# KiCad board SP110Duo.kicad_pcb (continued)
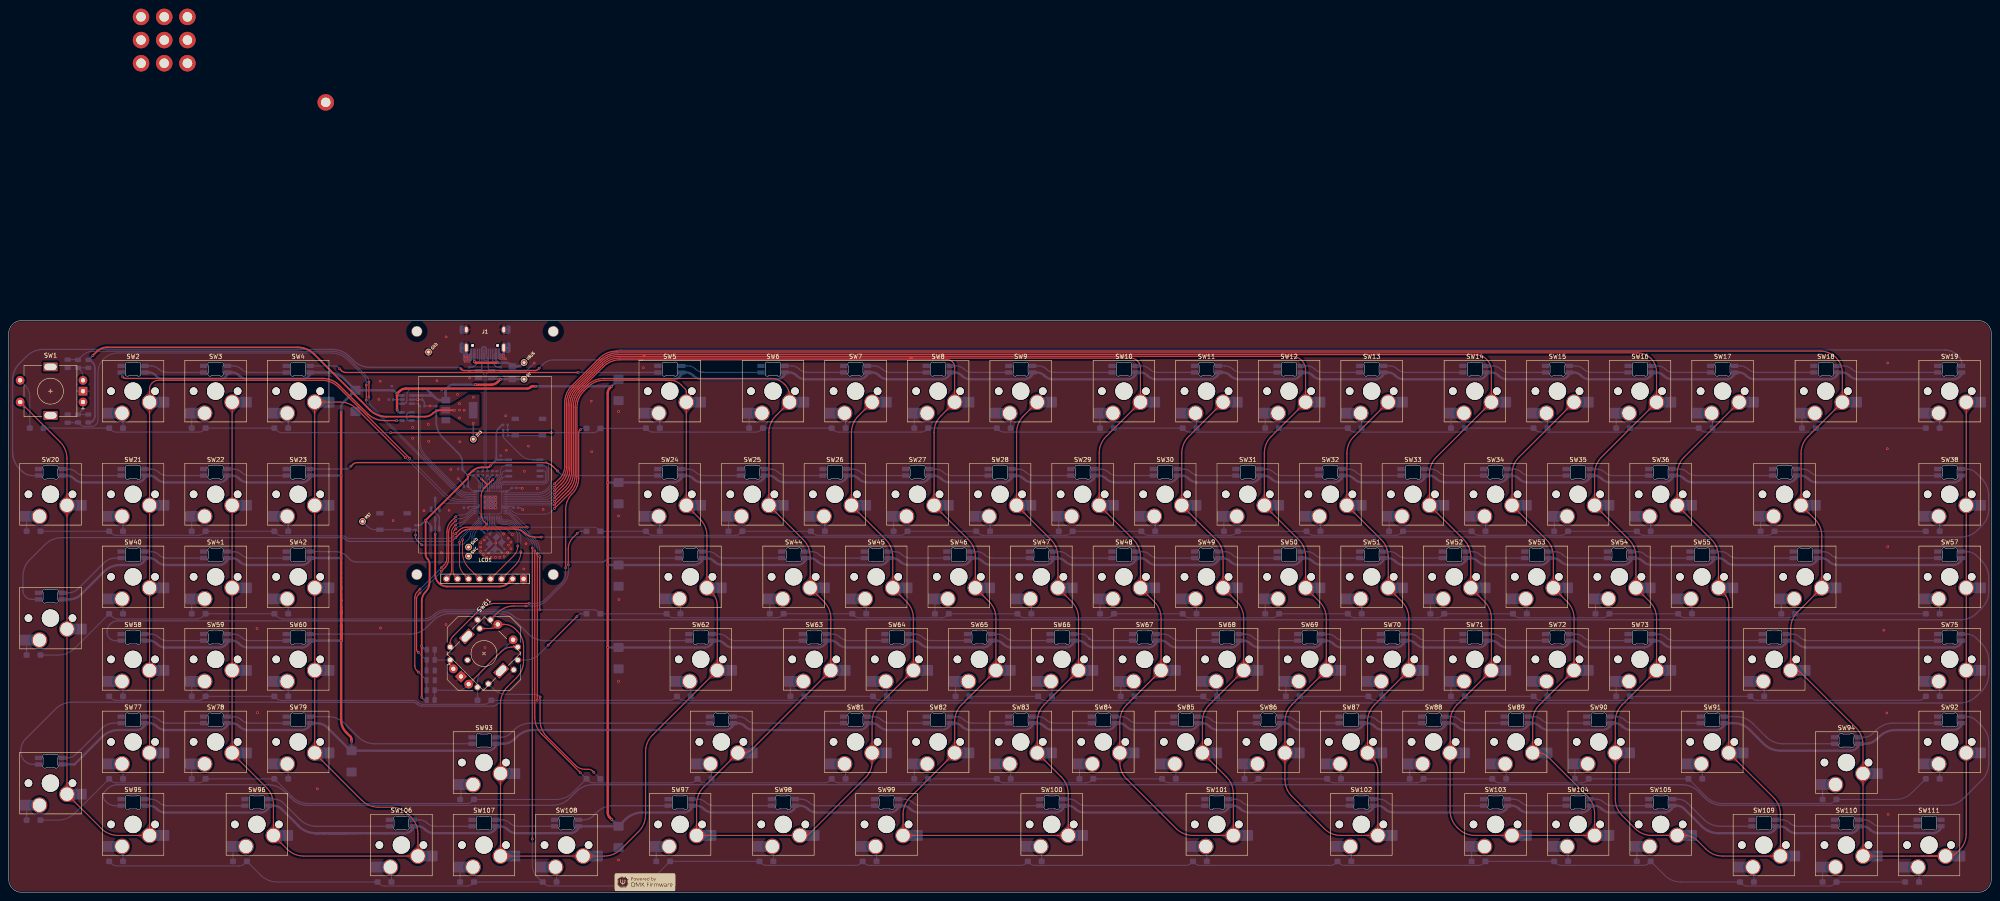
[diagram p0: board, top side]
## Routing (per net, layer and track width the routed paths; a pad name or vN(x,y) marks a point on that pad's centre or on a via; arc(x,y) is an arc through that point) (continued)
C_ILIM: length 2
  Bottom w0.25: R6.1 U2.5
CC1: length 4.5
  Bottom w0.3: R2.2 106.75,121.2 arc(107.16,121.28) 107.51,121.51 108.34,122.34 arc(108.57,122.68) 108.65,123.09 J1.A5
CC2: length 4.3
  Bottom w0.3: R1.2 113.05,121.2 arc(112.64,121.28) 112.29,121.51 112.13,121.67 arc(111.77,122.2) 111.65,122.82 J1.B5
COL0: length 307.9
  Top w0.25: SW1.S2 11.86,103.97 arc(13.04,102.21) 13.45,100.13 SW20.1 SW76.1 21.38,14.73 arc(23.15,13.55) 25.23,13.14 SW95.1 32.5,113.15 arc(32.5,113.15) 32.5,113.15 arc(32.5,113.15) 32.5,113.16 32.5,116.15 arc(32.65,116.93) 33.1,117.6 arc(33.76,118.04) 34.55,118.2 72.25,118.2 arc(74.33,117.79) 76.09,116.61 92.49,100.21 arc(92.5,100.19) 92.51,100.17 v1(92.51,100.16)
  Bottom w0.2: v1(92.51,100.16) 92.52,100.16 arc(92.54,100.15) 92.56,100.14 100.49,92.21 arc(102.26,91.03) 104.34,90.61 U4.37
COL1: length 303.2
  Top w0.25: v1(91.54,100.34) 80.31,111.58 arc(78.54,112.76) 76.46,113.17 70.64,113.17 arc(70.63,113.17) 70.61,113.16 arc(70.61,113.15) 70.6,113.13 70.6,32.15 arc(70.61,32.11) 70.63,32.08 81.47,21.25 arc(83.23,20.07) 85.31,19.65 88.28,19.65 arc(90.36,19.24) 92.12,18.06 92.82,17.36 arc(94,15.59) 94.42,13.51 SW106.1 68.09,8.37 arc(66.01,8.79) 64.25,9.97 SW96.1 61.08,20.33 arc(60.66,22.42) 59.48,24.18 51.58,32.09 arc(51.56,32.11) 51.55,32.15 SW3.1
  Bottom w0.2: v1(91.54,100.34) 100.08,91.81 arc(101.85,90.63) 103.93,90.21 U4.36
COL2: length 275.7
  Top w0.25: v1(125.9,88.6) 129.51,92.21 arc(130.69,93.97) 131.1,96.05 131.1,111.85 arc(131.51,113.93) 132.69,115.7 133.62,116.63 arc(135.39,117.81) 137.47,118.22 152.45,118.22 arc(153.93,117.93) 155.19,117.09 156.02,116.26 arc(156.24,115.92) 156.32,115.53 arc(156.32,115.52) 156.33,115.52 arc(156.33,115.52) 156.33,115.52 SW5.1 SW24.1 159.5,86.17 arc(160.68,84.4) 161.09,82.32 161.09,71.13 arc(161.25,70.35) 161.69,69.69 162.28,69.1 arc(163.16,67.78) 163.47,66.22 SW62.1 148.52,36.28 arc(147.34,34.52) 146.93,32.44 146.93,17.89 arc(146.51,15.81) 145.33,14.04 141.26,9.97 arc(139.49,8.79) 137.41,8.37 SW108.1 SW107.1 113.47,27.42 arc(113.46,27.42) 113.46,27.43 arc(113.46,27.43) 113.46,27.43 113.46,43.58 arc(113.87,45.66) 115.05,47.43 117.19,49.56 arc(118.37,51.33) 118.78,53.41 118.78,56.81 arc(118.4,58.74) 117.31,60.37 116.9,60.78 arc(115.72,61.57) 114.34,61.84 113.5,61.84 arc(112.89,61.72) 112.37,61.37 arc(111.85,61.03) 111.24,60.9 S61.7
  Bottom w0.2: U4.11 115.08,88.61 arc(115.57,88.51) 115.99,88.23 116.27,87.96 arc(117,87.47) 117.86,87.3 123.68,87.3 arc(124.53,87.47) 125.25,87.95 v1(125.9,88.6)
COL3: length 355.8
  Top w0.25: SW7.1 196.02,109.98 arc(194.84,108.21) 194.43,106.13 SW26.1 202.36,81.41 arc(203.54,79.64) 203.95,77.56 SW45.1 207.12,67.12 arc(208.3,65.35) 208.72,63.27 SW64.1 200.78,43.31 arc(199.6,41.54) 199.19,39.46 SW81.1 199.19,30.1 arc(198.81,28.16) 197.71,26.53 184.96,13.77 arc(184.25,13.3) 183.42,13.14 SW97.1 158.71,20.41 arc(159.12,22.49) 160.3,24.26 167.81,31.77 arc(168.28,32.08) 168.83,32.19 169.42,32.19 arc(170.52,32.41) 171.46,33.03 SW63.1 189.67,63.27 arc(189.25,65.35) 188.07,67.12 SW44.1 184.9,77.56 arc(184.49,79.64) 183.31,81.41 SW25.1 175.38,106.13 arc(175.79,108.21) 176.97,109.98 180.14,113.15 arc(180.14,113.15) 180.14,113.15 arc(180.14,113.15) 180.14,113.16 180.14,114.64 arc(179.86,116.01) 179.09,117.17 178.89,117.37 arc(177.5,118.3) 175.87,118.62 137.31,118.62 arc(135.22,118.21) 133.46,117.03 132.29,115.87 arc(131.11,114.1) 130.7,112.02 130.7,96.47 arc(130.29,94.39) 129.11,92.62 v1(125.9,89.41)
  Bottom w0.2: v1(125.9,89.41) U4.9
COL4: length 405.6
  Top w0.25: 145.96,122.92 145.89,122.92 ; 145.96,122.92 145.89,122.92 ; 145.96,122.92 146.03,122.92 ; 145.96,122.92 146.03,122.92 ; 145.89,122.92 145.82,122.92 ; 145.89,122.92 145.82,122.92 ; 146.39,122.92 216.6,122.92 arc(217.22,122.8) 217.76,122.44 arc(218.11,121.91) 218.24,121.29 218.24,113.16 arc(218.24,113.15) 218.24,113.15 arc(218.24,113.15) 218.24,113.15 215.07,109.98 arc(213.89,108.21) 213.48,106.13 SW27.1 221.41,81.41 arc(222.59,79.64) 223,77.56 SW46.1 226.17,67.12 arc(227.35,65.35) 227.77,63.27 SW65.1 219.83,43.31 arc(218.65,41.54) 218.24,39.46 SW82.1 207.93,21.87 arc(206.75,20.11) 206.33,18.03 SW99.1 SW100.1 244.43,22.79 arc(244.02,24.87) 242.84,26.64 SW83.1 237.29,39.46 arc(237.7,41.54) 238.88,43.31 SW66.1 246.82,63.27 arc(246.4,65.35) 245.22,67.12 SW47.1 242.05,77.56 arc(241.64,79.64) 240.46,81.41 SW28.1 232.53,106.13 arc(232.94,108.21) 234.12,109.98 SW9.1 ; 146.39,122.92 146.25,122.92 ; 146.39,122.92 146.25,122.92 ; 145.74,122.92 145.82,122.92 ; 145.74,122.92 145.67,122.92 ; 145.74,122.92 145.67,122.92 ; 145.74,122.92 145.82,122.92 ; 146.25,122.92 146.18,122.92 ; 146.25,122.92 146.18,122.92 ; 145.6,122.92 145.67,122.92 ; 145.6,122.92 145.53,122.92 ; 145.6,122.92 145.53,122.92 ; 145.6,122.92 145.67,122.92 ; 145.53,122.92 145.46,122.92 ; 145.53,122.92 141.04,122.92 arc(138.96,122.51) 137.19,121.33 131.86,116 arc(130.68,114.23) 130.27,112.15 130.27,96.85 arc(129.85,94.77) 128.67,93 v1(125.9,90.23) ; 146.11,122.92 146.18,122.92 ; 146.11,122.92 146.03,122.92 ; 146.11,122.92 146.18,122.92 ; 146.11,122.92 146.03,122.92
  Bottom w0.2: v1(125.9,90.23) 125.69,90.02 arc(125.46,89.87) 125.19,89.81 U4.8
COL5: length 428.2
  Top w0.25: 261.1,113.15 261.1,114.79 arc(261.1,114.8) 261.1,114.8 261.1,114.8 ; 261.1,113.15 arc(261.1,113.15) 261.1,113.15 ; 261.1,113.15 arc(261.1,113.15) 261.1,113.15 ; 208.1,123.32 208.15,123.32 ; 208.1,123.32 208.05,123.32 ; 208.1,123.32 208.05,123.32 ; 208.1,123.32 208.15,123.32 ; 208.15,123.32 208.2,123.32 ; 208.15,123.32 208.2,123.32 ; 208.3,123.32 208.25,123.32 ; 208.3,123.32 208.35,123.32 ; 208.3,123.32 208.35,123.32 ; 208.3,123.32 208.25,123.32 ; 208.25,123.32 208.2,123.32 ; 208.25,123.32 208.2,123.32 ; 207.95,123.32 140.88,123.32 arc(138.79,122.91) 137.03,121.73 131.46,116.17 arc(130.28,114.4) 129.87,112.32 129.87,97.26 arc(129.45,95.18) 128.27,93.42 v1(125.9,91.04) ; 207.95,123.32 207.9,123.32 ; 207.95,123.32 208,123.32 ; 207.95,123.32 208,123.32 ; 208.05,123.32 208,123.32 ; 208.05,123.32 208,123.32 ; 208.35,123.32 208.4,123.32 ; 208.35,123.32 208.4,123.32 ; 208.4,123.32 208.45,123.32 ; 208.4,123.32 208.45,123.32 ; 208.45,123.32 208.55,123.32 ; 208.45,123.32 208.55,123.32 ; 208.55,123.32 258.84,123.32 arc(259.7,123.15) 260.44,122.66 arc(260.93,121.93) 261.1,121.07 261.1,113.16 arc(261.1,113.15) 261.1,113.15 ; 261.1,113.15 253.17,105.22 arc(251.99,103.45) 251.58,101.37 SW29.1 259.51,81.41 arc(260.69,79.64) 261.1,77.56 SW48.1 264.27,67.12 arc(265.45,65.35) 265.87,63.27 SW67.1 257.93,43.31 arc(256.75,41.54) 256.34,39.46 SW84.1 256.34,29.96 arc(256.75,27.9) 257.92,26.16 269.34,14.73 arc(271.11,13.55) 273.19,13.14 SW101.1 282.53,22.79 arc(282.12,24.87) 280.94,26.64 SW85.1 275.39,39.46 arc(275.8,41.54) 276.98,43.31 SW68.1 284.92,63.27 arc(284.5,65.35) 283.32,67.12 SW49.1 280.15,77.56 arc(279.74,79.64) 278.56,81.41 SW30.1 270.63,101.37 arc(271.04,103.45) 272.22,105.22 SW11.1 ; 261.1,113.15 arc(261.1,113.15) 261.1,113.15
  Bottom w0.2: U4.7 124.49,90.21 arc(125.03,90.32) 125.49,90.63 v1(125.9,91.04)
COL6: length 459.9
  Top w0.25: 146.6,123.72 146.55,123.72 ; 146.6,123.72 146.65,123.72 ; 146.6,123.72 146.55,123.72 ; 146.6,123.72 146.65,123.72 ; 146.55,123.72 146.5,123.72 ; 146.55,123.72 146.5,123.72 ; 146.8,123.72 146.75,123.72 ; 146.8,123.72 146.85,123.72 ; 146.8,123.72 146.85,123.72 ; 146.8,123.72 146.75,123.72 ; 146.75,123.72 146.7,123.72 ; 146.75,123.72 146.7,123.72 ; 146.65,123.72 146.7,123.72 ; 146.65,123.72 146.7,123.72 ; 146.85,123.72 146.95,123.72 ; 146.85,123.72 146.95,123.72 ; 146.95,123.72 296.09,123.72 arc(297.28,123.49) 298.29,122.81 arc(298.96,121.8) 299.2,120.61 299.2,113.16 arc(299.2,113.15) 299.2,113.15 arc(299.2,113.15) 299.2,113.15 291.27,105.22 arc(290.09,103.45) 289.68,101.37 SW31.1 297.61,81.41 arc(298.79,79.64) 299.2,77.56 SW50.1 302.37,67.12 arc(303.55,65.35) 303.97,63.27 SW69.1 296.03,43.31 arc(294.85,41.54) 294.44,39.46 SW86.1 294.44,26.01 arc(294.85,23.93) 296.03,22.17 303.47,14.73 arc(305.24,13.55) 307.32,13.14 SW102.1 315.87,28.12 arc(315.56,29.68) 314.68,31 arc(313.8,32.31) 313.49,33.87 313.49,39.46 arc(313.9,41.54) 315.08,43.31 SW70.1 323.02,63.27 arc(322.6,65.35) 321.42,67.12 SW51.1 318.25,77.56 arc(317.84,79.64) 316.66,81.41 SW32.1 308.73,101.37 arc(309.14,103.45) 310.32,105.22 SW13.1 ; 146.4,123.72 146.35,123.72 ; 146.4,123.72 146.45,123.72 ; 146.4,123.72 146.45,123.72 ; 146.4,123.72 146.35,123.72 ; 146.35,123.72 146.3,123.72 ; 146.35,123.72 140.71,123.72 arc(138.63,123.31) 136.86,122.13 131.06,116.33 arc(129.88,114.57) 129.47,112.48 129.47,97.68 arc(129.05,95.6) 127.87,93.83 v1(125.9,91.86) ; 146.45,123.72 146.5,123.72 ; 146.45,123.72 146.5,123.72
  Bottom w0.2: v1(125.9,91.86) 125.28,91.24 arc(124.59,90.78) 123.78,90.61 U4.6
COL7: length 528.3
  Top w0.25: v1(125.9,92.67) 127.48,94.26 arc(128.66,96.01) 129.07,98.08 129.07,112.65 arc(129.48,114.73) 130.66,116.5 136.7,122.53 arc(138.46,123.71) 140.54,124.12 338.33,124.12 arc(339.76,123.84) 340.97,123.03 arc(341.78,121.82) 342.06,120.39 342.06,113.16 arc(342.06,113.15) 342.06,113.15 arc(342.06,113.15) 342.06,113.15 329.37,100.46 arc(328.19,98.69) 327.78,96.61 SW33.1 335.71,81.41 arc(336.89,79.64) 337.3,77.56 SW52.1 340.47,67.12 arc(341.65,65.35) 342.07,63.27 SW71.1 334.15,43.33 arc(332.97,41.56) 332.56,39.48 332.56,32.22 arc(332.56,32.21) 332.55,32.2 arc(332.54,32.19) 332.54,32.17 332.54,18.87 arc(332.95,16.79) 334.13,15.02 334.43,14.73 arc(336.19,13.55) 338.27,13.14 SW103.1 SW104.1 365.88,18.27 arc(365.46,20.36) 364.28,22.12 355.15,31.26 arc(354.12,31.94) 352.9,32.19 352.25,32.19 arc(351.78,32.38) 351.59,32.84 351.59,39.46 arc(352,41.54) 353.18,43.31 SW72.1 361.12,53.22 arc(361.12,53.24) 361.13,53.25 arc(361.13,53.26) 361.14,53.27 361.14,63.25 arc(360.72,65.33) 359.54,67.1 SW53.1 356.35,77.56 arc(355.94,79.64) 354.76,81.41 SW34.1 346.83,96.61 arc(347.24,98.69) 348.42,100.46 SW15.1
  Bottom w0.2: v1(125.9,92.67) 125.07,91.84 arc(124.15,91.23) 123.07,91.01 U4.5
COL8: length 569
  Top w0.25: SW17.1 386.52,100.46 arc(385.34,98.69) 384.93,96.61 SW36.1 392.86,81.41 arc(394.04,79.64) 394.45,77.56 394.45,71.13 arc(394.61,70.35) 395.05,69.69 395.64,69.1 arc(396.52,67.78) 396.83,66.22 SW91.1 407.15,21.87 arc(408.33,20.11) 408.74,18.03 SW109.1 395.42,8.37 arc(393.34,8.79) 391.57,9.97 389.63,11.91 arc(388.27,12.82) 386.67,13.14 379.06,13.14 arc(376.98,13.55) 375.22,14.73 372.23,17.71 arc(371.05,19.48) 370.64,21.56 SW90.1 370.64,39.46 arc(371.05,41.54) 372.23,43.31 SW73.1 380.17,63.27 arc(379.75,65.35) 378.57,67.12 SW54.1 375.4,77.56 arc(374.99,79.64) 373.81,81.41 SW35.1 365.88,96.61 arc(366.29,98.69) 367.47,100.46 380.16,113.15 arc(380.16,113.15) 380.16,113.15 arc(380.16,113.15) 380.16,113.16 380.16,120.11 arc(379.82,121.8) 378.87,123.23 arc(377.44,124.19) 375.75,124.52 140.38,124.52 arc(138.3,124.11) 136.53,122.93 130.26,116.66 arc(129.08,114.9) 128.67,112.81 128.67,98.21 arc(128.31,96.4) 127.28,94.87 v1(125.9,93.49)
  Bottom w0.2: U4.4 122.36,91.41 arc(123.72,91.68) 124.86,92.45 v1(125.9,93.49)
COL9: length 588.6
  Top w0.25: SW19.1 451.6,13.43 arc(451.22,11.5) 450.12,9.86 449.28,9.01 arc(448.57,8.54) 447.74,8.37 SW110.1 SW94.1 427.79,34.11 arc(427.38,36.2) 426.2,37.96 413.56,50.6 arc(412.85,51.07) 412.02,51.24 arc(411.39,51.5) 411.12,52.14 411.12,60.89 arc(411.54,62.97) 412.72,64.74 418.16,70.18 418.25,70.27 arc(418.25,70.27) 418.25,70.27 SW56.1 418.27,70.29 arc(418.27,70.29) 418.27,70.29 418.27,70.29 arc(418.27,70.29) 418.27,70.29 418.27,70.29 arc(418.27,70.29) 418.27,70.29 418.28,70.3 arc(418.28,70.31) 418.29,70.32 418.29,82.3 arc(417.87,84.38) 416.69,86.15 SW37.1 413.5,101.37 arc(413.92,103.45) 415.1,105.22 423.03,113.15 arc(423.03,113.15) 423.03,113.15 arc(423.02,113.15) 423.02,113.16 423.02,119.89 arc(422.64,121.82) 421.55,123.45 arc(419.92,124.54) 417.99,124.92 140.18,124.92 arc(138.1,124.51) 136.33,123.33 129.86,116.86 arc(128.68,115.1) 128.27,113.01 128.27,98.34 arc(127.96,96.8) 127.08,95.48 v1(125.9,94.3)
  Bottom w0.2: v1(125.9,94.3) 124.66,93.06 arc(123.28,92.14) 121.66,91.81 U4.3
D+: length 30.9
  Bottom w0.2: R3.1 110.47,97.51 arc(110.42,97.72) 110.3,97.9 arc(110.18,98.08) 110.14,98.29 110.14,119.2 arc(110.24,119.68) 110.51,120.08 110.69,120.26 arc(110.89,120.4) 111.14,120.45 111.33,120.45
  Bottom w0.3: U3.3 111.23,120.45 arc(111.06,120.48) 110.93,120.57 110.85,120.65 arc(110.7,120.87) 110.65,121.13 110.65,123.62 110.65,123.09 arc(110.62,122.96) 110.55,122.85 arc(110.44,122.78) 110.31,122.75 109.91,122.75 arc(109.81,122.77) 109.73,122.83 arc(109.67,122.91) 109.65,123.01 J1.A6 ; 111.33,120.45 arc(111.26,120.46) 111.2,120.5
D-: length 32.4
  Bottom w0.2: 108.45,120.45 108.67,120.45 arc(108.93,120.4) 109.14,120.26 109.32,120.08 arc(109.59,119.67) 109.69,119.19 109.69,98.29 arc(109.65,98.08) 109.53,97.9 arc(109.41,97.72) 109.37,97.51 R4.1
  Bottom w0.3: U3.2 108.6,120.45 arc(108.78,120.49) 108.94,120.59 108.98,120.62 arc(109.1,120.82) 109.15,121.05 J1.B7 109.15,125.56 arc(109.18,125.69) 109.25,125.8 arc(109.36,125.87) 109.49,125.9 109.81,125.9 arc(109.94,125.87) 110.05,125.8 arc(110.12,125.69) 110.15,125.56 J1.A7 ; 108.45,120.45 arc(108.5,120.46) 108.54,120.49
ENC1_A: length 125.4
  Top w0.25: v1(82.5,113.6) v1(82.5,117.1)
  Bottom w0.2: U4.38 106.07,91.01 arc(104.61,91.31) 103.36,92.14 82.71,112.79 arc(82.56,113.02) 82.5,113.3 v1(82.5,113.6)
  Bottom w0.25: v1(82.5,117.1) 82.5,117.87 arc(82.36,118.58) 81.96,119.18 78.23,122.91 arc(76.46,124.09) 74.38,124.5 25.21,124.5 arc(23.45,124.15) 21.95,123.15 arc(20.95,121.65) 20.6,119.89 20.6,108.99 arc(20.49,108.44) 20.18,107.98 arc(19.72,107.67) 19.17,107.56 17.55,107.56 arc(16.96,107.68) 16.45,108.02 16.03,108.44 arc(16,108.45) 15.97,108.44 arc(15.94,108.42) 15.9,108.41 C22.2
ENC1_B: length 111.4
  Top w0.25: v1(83.1,114.3) v1(83.1,117.77)
  Bottom w0.2: U4.39 106.12,91.41 arc(104.7,91.7) 103.49,92.5 83.6,112.4 arc(83.23,112.95) 83.1,113.6 v1(83.1,114.3)
  Bottom w0.25: v1(83.1,117.77) 83.1,118.18 arc(83.02,118.57) 82.81,118.89 78.39,123.31 arc(76.63,124.49) 74.55,124.9 19.4,124.9 arc(18.1,124.64) 17,123.9 16.03,122.94 arc(16,122.92) 15.97,122.94 arc(15.94,122.96) 15.9,122.96 C23.2
ENC2_A: length 44.4
  Top w0.25: v1(94.89,69.1) 94.5,68.7 arc(94.2,68.26) 94.1,67.75 94.1,56.08 arc(94.15,55.82) 94.3,55.6 v1(94.5,55.4) ; v1(99.8,74.1) 100.65,74.95 arc(101.28,75.89) 101.5,77 101.5,82.98 arc(101.71,84.06) 102.33,84.97 v1(103.15,85.8)
  Bottom w0.2: v1(103.15,85.8) 103.4,86.05 arc(103.68,86.24) 104,86.3 104.38,86.3 arc(105.05,86.43) 105.63,86.82 106.8,87.99 arc(107.05,88.15) 107.34,88.21 U4.31
  Bottom w0.25: v1(94.89,69.1) 94.9,69.1 arc(94.9,69.1) 94.9,69.1 99.76,73.96 arc(99.79,74) 99.8,74.05 v1(99.8,74.1) ; v1(94.5,55.4) 96.17,53.73 arc(96.25,53.67) 96.35,53.65 arc(96.43,53.62) 96.46,53.55 96.46,51.26 arc(96.46,51.26) 96.46,51.26 arc(96.46,51.26) 96.46,51.26 96.43,51.26
ENC2_B: length 49.9
  Top w0.25: v1(94.89,70.01) 94.3,69.41 arc(93.86,68.75) 93.7,67.97 93.7,52.24 arc(93.81,51.7) 94.11,51.24 v1(94.53,50.83) ; v1(99.79,74.91) 100.45,75.56 arc(100.93,76.28) 101.1,77.14 101.1,83.2 arc(101.37,84.54) 102.12,85.68 v1(103.15,86.7)
  Bottom w0.2: v1(103.15,86.7) 103.35,86.9 arc(103.57,87.05) 103.83,87.1 104.48,87.1 arc(105.34,87.27) 106.07,87.76 106.67,88.35 arc(106.96,88.55) 107.3,88.61 U4.32
  Bottom w0.25: 96.42,48.93 96.42,48.93 arc(96.44,48.91) 96.44,48.88 R15.2 ; 96.42,48.93 96.39,48.97 ; 96.42,48.93 arc(96.41,48.95) 96.4,48.97 ; v1(99.79,74.91) v1(94.89,70.01) ; 96.39,48.97 v1(94.53,50.83) ; 96.39,48.97 arc(96.4,48.96) 96.4,48.97 ; 96.4,48.97 96.4,49
LCD_BL_PWM: length 18.8
  Top w0.2: v1(103.15,84.8) 102.65,84.3 arc(102.28,83.75) 102.15,83.09 102.15,74.3 arc(102,73.55) 101.58,72.93 LCD1.8
  Bottom w0.2: U4.30 107.39,87.81 arc(107.14,87.76) 106.93,87.62 104.94,85.64 arc(104.57,85.39) 104.13,85.3 104,85.3 arc(103.68,85.24) 103.4,85.05 v1(103.15,84.8)
LCD_CS: length 18
  Top w0.2: v1(103.15,83.9) 102.83,83.57 arc(102.58,83.22) 102.5,82.79 102.5,74.16 arc(102.64,73.47) 103.03,72.89 LCD1.7
  Bottom w0.2: U4.29 107.44,87.41 arc(107.23,87.37) 107.05,87.25 104.39,84.59 arc(104.18,84.45) 103.92,84.4 arc(103.67,84.35) 103.46,84.21 v1(103.15,83.9)
LCD_DC: length 16.7
  Top w0.2: LCD1.6 105.05,73.41 arc(104.27,74.57) 104,75.94 v1(104,80.8)
  Bottom w0.2: v1(104,80.8) 104,81.25 arc(104.08,81.67) 104.32,82.02 108.37,86.07 arc(108.47,86.21) 108.5,86.39 108.5,86.39 108.5,86.21
LCD_EN: length 9.3
  Bottom w0.2: U4.35 100.31,89.81 arc(99.94,89.74) 99.63,89.53 arc(99.42,89.22) 99.35,88.85 Q2.1
LCD_MOSI/SDA: length 19.7
  Top w0.2: LCD1.4 116.53,77.71 arc(117.21,78.73) 117.45,79.94
  Bottom w0.2: U4.18 112.5,86.22 arc(112.57,85.89) 112.75,85.61 112.98,85.38 arc(113.52,85.03) 114.15,84.9 114.57,84.9 arc(115.59,84.7) 116.46,84.12 116.79,83.79 arc(117.28,83.05) 117.45,82.19 v1(117.45,79.95)
LCD_PWR: length 32.9
  Top w0.4: LCD1.2 115.38,71.48 arc(114.4,70.83) 113.25,70.6 101.13,70.6 arc(100.09,70.81) 99.2,71.4 arc(98.61,72.29) 98.4,73.33 v1(98.4,82.7)
  Bottom w0.4: v1(98.4,82.7) 98.4,86.18
LCD_RESET: length 17.3
  Top w0.2: LCD1.5 106.29,74.7 arc(105.11,76.47) 104.7,78.55 v1(104.7,81.4)
  Bottom w0.2: v1(104.7,81.4) 104.7,81.65 arc(104.75,81.88) 104.88,82.08 108.73,85.93 arc(108.86,86.12) 108.9,86.34 U4.27
LCD_SCK/SCL: length 19
  Top w0.2: LCD1.3 116.88,75.52 arc(117.82,76.93) 118.15,78.6
  Bottom w0.2: U4.17 112.9,86.27 arc(112.96,85.98) 113.12,85.74 113.26,85.61 arc(113.65,85.34) 114.11,85.25 114.72,85.25 arc(115.74,85.05) 116.6,84.47 117.26,83.81 arc(117.92,82.82) 118.15,81.66 v1(118.15,78.6)
LED_DAT_3V3: length 25.9
  Bottom w0.2: U5.2 93.61,109.85 arc(93.79,109.81) 93.95,109.71 93.95,109.71 arc(93.95,109.71) 93.95,109.71 94.33,109.32 arc(94.33,109.32) 94.33,109.32 94.33,109.32 arc(94.49,109.09) 94.54,108.82 94.54,104.2 arc(94.95,102.12) 96.13,100.36 103.62,92.87 arc(104.79,92.09) 106.17,91.81 U4.40
LED_DAT_5V: length 69.3
  Top w0.3: v1(26.3,119) 26.49,118.81 arc(26.7,118.67) 26.94,118.62 72.42,118.62 arc(74.5,118.21) 76.27,117.03 82.81,110.49 arc(84.57,109.31) 86.66,108.9 v1(89.5,108.9)
  Bottom w0.3: v1(26.3,119) 26.12,119.18 arc(25.99,119.38) 25.94,119.61 25.94,120.02 ; v1(89.5,108.9) U5.4
LED_EN: length 28.7
  Bottom w0.2: U2.3 94.15,112.8 arc(94.33,112.76) 94.48,112.66 R7.2 94.89,104.35 arc(95.3,102.27) 96.48,100.5 103.75,93.24 arc(104.88,92.48) 106.22,92.21 U4.41
LED_NFAULT: length 6.1
  Bottom w0.25: R5.1 93.23,116.2 arc(92.71,116.1) 92.26,115.8 arc(91.97,115.36) 91.86,114.83 91.86,113.54 arc(91.81,113.3) 91.67,113.08 91.63,113.04 arc(91.63,113.04) 91.63,113.04 arc(91.63,113.04) 91.63,113.04 91.62,113.04 arc(91.62,113.04) 91.62,113.04 arc(91.62,113.04) 91.62,113.04 arc(91.62,113.03) 91.62,113.03 arc(91.36,112.86) 91.06,112.8 U2.4
LED_PWR: length 2714.8
  Top w0.55: v1(89.6,111.4) 89.6,114.7 arc(89.6,114.7) 89.6,114.7 89.6,114.7 arc(89.6,114.7) 89.6,114.71 v1(89.6,115.1) ; v1(139.1,116.82) 138.65,116.37 arc(138.32,115.87) 138.2,115.29 v1(138.2,94.6) v1(138.2,75.6) v1(138.2,56.5) v1(138.2,37.46) 138.2,18.4 arc(138.32,17.79) 138.66,17.28 v1(139.12,16.82) ; v1(76.7,110.85) v1(76.7,96.2) v1(76.7,77.2) v1(76.7,58.1) 76.7,39.8 arc(77.01,38.23) 77.9,36.9 78.82,35.98 arc(79.03,35.67) 79.1,35.3 v1(79.1,34.9) ; v1(89.6,115.1) 89.62,115.1 ; v1(89.6,115.1) 90.2,115.7 arc(90.87,116.14) 91.65,116.3 119.71,116.3 arc(120.01,116.35) 120.28,116.5 120.44,116.66 arc(120.62,116.78) 120.83,116.82 v1(121.6,116.82)
  Bottom w0.55: SW58.3 32.43,58.11 arc(33.35,57.92) 34.12,57.41 34.22,57.31 arc(35.1,56.72) 36.14,56.51 48.63,56.51 arc(49.34,56.66) 49.95,57.06 50.32,57.43 arc(50.45,57.63) 50.49,57.86 arc(50.57,58.03) 50.74,58.11 51.48,58.11 arc(52.4,57.92) 53.17,57.41 53.27,57.31 arc(54.15,56.72) 55.19,56.51 67.68,56.51 arc(68.39,56.66) 69,57.06 69.37,57.43 arc(69.5,57.63) 69.54,57.86 arc(69.62,58.03) 69.79,58.11 76.69,58.11 arc(76.69,58.11) 76.7,58.1 v1(76.7,58.1) ; C6.1 142.29,16.83 arc(144.04,18) 146.11,18.42 155.79,18.42 arc(156.5,18.56) 157.1,18.96 157.47,19.33 arc(157.6,19.53) 157.65,19.76 arc(157.72,19.93) 157.9,20.01 158.64,20.01 arc(159.55,19.83) 160.32,19.31 160.42,19.21 arc(161.3,18.62) 162.34,18.42 179.6,18.42 arc(180.31,18.56) 180.92,18.96 181.29,19.33 arc(181.42,19.53) 181.46,19.76 arc(181.54,19.93) 181.71,20.01 182.55,20.01 arc(183.55,19.81) 184.4,19.24 184.43,19.21 arc(185.31,18.62) 186.35,18.42 203.41,18.42 arc(204.13,18.56) 204.73,18.96 205.1,19.33 arc(205.23,19.53) 205.27,19.76 arc(205.35,19.93) 205.52,20.01 206.26,20.01 arc(207.17,19.83) 207.94,19.31 208.04,19.21 arc(208.92,18.62) 209.96,18.42 241.51,18.42 arc(242.23,18.56) 242.83,18.96 243.2,19.33 arc(243.33,19.53) 243.37,19.76 arc(243.45,19.93) 243.62,20.01 244.36,20.01 arc(245.27,19.83) 246.04,19.31 246.14,19.21 arc(247.02,18.62) 248.06,18.42 279.61,18.42 arc(280.33,18.56) 280.93,18.96 281.3,19.33 arc(281.43,19.53) 281.47,19.76 arc(281.55,19.93) 281.72,20.01 282.46,20.01 arc(283.36,19.83) 284.13,19.31 284.24,19.21 arc(285.12,18.62) 286.16,18.42 312.95,18.42 arc(313.66,18.56) 314.27,18.96 314.64,19.33 arc(314.77,19.53) 314.81,19.76 arc(314.89,19.93) 315.06,20.01 315.79,20.01 arc(316.7,19.83) 317.47,19.31 317.57,19.21 arc(318.45,18.62) 319.49,18.42 343.91,18.42 arc(344.62,18.56) 345.22,18.96 345.59,19.33 arc(345.72,19.53) 345.77,19.76 arc(345.84,19.93) 346.02,20.01 346.75,20.01 arc(347.65,19.83) 348.42,19.31 348.52,19.21 arc(349.41,18.62) 350.44,18.42 362.96,18.42 arc(363.67,18.56) 364.27,18.96 364.64,19.33 arc(364.77,19.53) 364.82,19.76 arc(364.89,19.93) 365.07,20.01 365.8,20.01 arc(366.7,19.83) 367.47,19.31 367.57,19.21 arc(368.45,18.62) 369.49,18.42 382.01,18.42 arc(382.72,18.56) 383.32,18.96 383.69,19.33 arc(383.82,19.53) 383.87,19.76 arc(383.94,19.93) 384.12,20.01 384.85,20.01 arc(385.75,19.83) 386.52,19.31 390.59,15.25 arc(392.35,14.07) 394.43,13.65 405.82,13.65 arc(406.53,13.8) 407.14,14.2 407.5,14.57 arc(407.63,14.76) 407.68,14.99 arc(407.75,15.17) 407.93,15.24 408.66,15.24 arc(409.56,15.06) 410.33,14.55 410.43,14.45 arc(411.31,13.86) 412.35,13.65 424.87,13.65 arc(425.58,13.8) 426.19,14.2 426.55,14.57 arc(426.68,14.76) 426.73,14.99 arc(426.8,15.17) 426.98,15.24 427.71,15.24 arc(428.61,15.06) 429.38,14.55 429.48,14.45 arc(430.36,13.86) 431.4,13.65 443.92,13.65 arc(444.63,13.8) 445.24,14.2 445.6,14.57 arc(445.73,14.76) 445.78,14.99 SW111.3 ; C6.1 131.71,15.24 arc(131.53,15.17) 131.46,14.99 arc(131.41,14.76) 131.28,14.57 130.91,14.2 arc(130.31,13.8) 129.59,13.65 117.1,13.65 arc(116.06,13.86) 115.18,14.45 115.08,14.55 arc(114.31,15.06) 113.39,15.24 112.66,15.24 arc(112.48,15.17) 112.41,14.99 arc(112.36,14.76) 112.23,14.57 111.86,14.2 arc(111.26,13.8) 110.54,13.65 98.05,13.65 arc(97.01,13.86) 96.13,14.45 96.03,14.54 arc(95.26,15.06) 94.34,15.24 93.61,15.24 arc(93.43,15.17) 93.36,14.99 arc(93.31,14.76) 93.18,14.57 92.81,14.2 arc(92.21,13.8) 91.49,13.65 70.8,13.65 arc(68.72,14.07) 66.95,15.25 62.97,19.24 arc(62.11,19.81) 61.11,20.01 60.27,20.01 arc(60.09,19.93) 60.02,19.76 arc(59.97,19.53) 59.84,19.33 59.47,18.96 arc(58.87,18.56) 58.16,18.42 36.14,18.42 arc(35.1,18.62) 34.22,19.21 34.12,19.31 arc(33.35,19.82) 32.43,20.01 SW95.3 ; C6.1 v1(139.12,16.82) ; SW92.3 450.54,38.81 arc(450.5,38.58) 450.37,38.38 450,38.01 arc(449.39,37.61) 448.68,37.46 435.31,37.46 arc(433.24,37.05) 431.48,35.88 431.01,35.41 arc(429.77,34.58) 428.31,34.29 427.02,34.29 arc(426.81,34.21) 426.73,34.01 arc(426.68,33.74) 426.53,33.52 426.22,33.21 arc(425.66,32.83) 424.99,32.7 408.72,32.7 arc(406.64,33.12) 404.87,34.3 401.65,37.52 arc(399.95,38.66) 397.94,39.06 396.02,39.06 arc(395.85,38.98) 395.77,38.81 arc(395.73,38.58) 395.6,38.38 395.23,38.01 arc(394.62,37.61) 393.91,37.46 374.26,37.46 arc(373.22,37.67) 372.34,38.26 372.23,38.36 arc(371.46,38.88) 370.56,39.06 369.83,39.06 arc(369.65,38.98) 369.58,38.81 arc(369.53,38.58) 369.4,38.38 369.03,38.01 arc(368.43,37.61) 367.72,37.46 355.21,37.46 arc(354.17,37.67) 353.29,38.26 353.18,38.36 arc(352.42,38.88) 351.51,39.06 350.78,39.06 arc(350.6,38.98) 350.53,38.81 arc(350.48,38.58) 350.35,38.38 349.98,38.01 arc(349.38,37.61) 348.67,37.46 336.16,37.46 arc(335.12,37.67) 334.24,38.26 334.14,38.36 arc(333.37,38.88) 332.46,39.06 331.73,39.06 arc(331.55,38.98) 331.48,38.81 arc(331.43,38.58) 331.3,38.38 330.93,38.01 arc(330.33,37.61) 329.62,37.46 317.11,37.46 arc(316.07,37.67) 315.19,38.26 315.09,38.36 arc(314.32,38.88) 313.41,39.06 312.68,39.06 arc(312.5,38.98) 312.43,38.81 arc(312.38,38.58) 312.25,38.38 311.88,38.01 arc(311.28,37.61) 310.57,37.46 298.06,37.46 arc(297.02,37.67) 296.14,38.26 296.04,38.36 arc(295.27,38.88) 294.36,39.06 293.63,39.06 arc(293.45,38.98) 293.38,38.81 arc(293.33,38.58) 293.2,38.38 292.83,38.01 arc(292.23,37.61) 291.52,37.46 279.01,37.46 arc(277.97,37.67) 277.09,38.26 276.99,38.36 arc(276.22,38.88) 275.31,39.06 274.58,39.06 arc(274.4,38.98) 274.33,38.81 arc(274.28,38.58) 274.15,38.38 273.78,38.01 arc(273.18,37.61) 272.47,37.46 259.77,37.46 arc(258.73,37.67) 257.84,38.26 257.67,38.43 arc(256.98,38.89) 256.16,39.06 255.53,39.06 arc(255.35,38.98) 255.28,38.81 arc(255.23,38.58) 255.1,38.38 254.73,38.01 arc(254.13,37.61) 253.42,37.46 240.91,37.46 arc(239.88,37.67) 238.99,38.26 238.89,38.36 arc(238.12,38.88) 237.21,39.06 236.48,39.06 arc(236.3,38.98) 236.23,38.81 arc(236.18,38.58) 236.05,38.38 235.68,38.01 arc(235.08,37.61) 234.37,37.46 221.87,37.46 arc(220.83,37.67) 219.94,38.26 219.84,38.36 arc(219.07,38.88) 218.16,39.06 217.43,39.06 arc(217.25,38.98) 217.18,38.81 arc(217.13,38.58) 217,38.38 216.63,38.01 arc(216.03,37.61) 215.32,37.46 202.82,37.46 arc(201.78,37.67) 200.9,38.26 200.8,38.36 arc(200.03,38.88) 199.12,39.06 198.38,39.06 arc(198.2,38.98) 198.13,38.81 arc(198.08,38.58) 197.95,38.38 197.58,38.01 arc(196.98,37.61) 196.27,37.46 171.86,37.46 arc(170.82,37.67) 169.94,38.26 169.84,38.36 arc(169.07,38.88) 168.16,39.06 167.42,39.06 arc(167.25,38.98) 167.17,38.81 arc(167.13,38.58) 167,38.38 166.63,38.01 arc(166.02,37.61) 165.31,37.46 v1(138.2,37.46) 121.03,37.46 arc(118.95,37.05) 117.2,35.88 116.75,35.43 arc(115.49,34.59) 114.01,34.29 112.66,34.29 arc(112.48,34.22) 112.41,34.04 arc(112.36,33.81) 112.23,33.62 111.86,33.25 arc(111.26,32.84) 110.54,32.7 78.87,32.7 73.56,38.01 arc(72.4,38.78) 71.03,39.06 69.79,39.06 arc(69.62,38.98) 69.54,38.81 arc(69.5,38.58) 69.37,38.38 69,38.01 arc(68.39,37.61) 67.68,37.46 55.19,37.46 arc(54.15,37.67) 53.27,38.26 53.17,38.36 arc(52.4,38.87) 51.48,39.06 50.74,39.06 arc(50.57,38.98) 50.49,38.81 arc(50.45,38.58) 50.32,38.38 49.95,38.01 arc(49.34,37.61) 48.63,37.46 36.14,37.46 arc(35.1,37.67) 34.22,38.26 34.12,38.36 arc(33.35,38.87) 32.43,39.06 31.69,39.06 arc(31.52,38.98) 31.44,38.81 arc(31.4,38.58) 31.27,38.38 30.9,38.01 arc(30.29,37.61) 29.58,37.46 25.36,37.46 arc(23.28,37.05) 21.52,35.87 15.17,29.53 arc(15.17,29.53) 15.17,29.53 arc(15.17,29.53) 15.17,29.53 SW76.3 ; 450.54,120.02 450.54,119.77 arc(450.5,119.54) 450.37,119.34 449.99,118.97 arc(449.39,118.56) 448.67,118.42 426.64,118.42 arc(425.6,118.63) 424.72,119.22 424.61,119.33 arc(423.84,119.84) 422.94,120.02 422.22,120.02 arc(422.04,119.95) 421.97,119.77 arc(421.92,119.54) 421.79,119.34 421.42,118.97 arc(420.81,118.56) 420.1,118.42 402.83,118.42 arc(401.79,118.63) 400.91,119.22 400.8,119.33 arc(400.03,119.84) 399.13,120.02 398.41,120.02 arc(398.23,119.95) 398.16,119.77 arc(398.11,119.54) 397.98,119.34 397.61,118.97 arc(397,118.56) 396.28,118.42 383.78,118.42 arc(382.74,118.63) 381.86,119.22 381.75,119.33 arc(380.98,119.84) 380.08,120.02 379.36,120.02 arc(379.18,119.95) 379.11,119.77 arc(379.06,119.54) 378.93,119.34 378.56,118.97 arc(377.95,118.56) 377.23,118.42 364.74,118.42 arc(363.69,118.63) 362.81,119.22 362.7,119.33 arc(361.94,119.84) 361.03,120.02 360.31,120.02 arc(360.13,119.95) 360.06,119.77 arc(360.01,119.54) 359.88,119.34 359.51,118.97 arc(358.9,118.56) 358.18,118.42 345.69,118.42 arc(344.64,118.63) 343.76,119.22 343.65,119.33 arc(342.89,119.84) 341.98,120.02 341.26,120.02 arc(341.08,119.95) 341.01,119.77 arc(340.96,119.54) 340.83,119.34 340.46,118.97 arc(339.85,118.56) 339.13,118.42 321.88,118.42 arc(320.83,118.63) 319.95,119.22 319.84,119.33 arc(319.08,119.84) 318.17,120.02 317.44,120.02 arc(317.27,119.95) 317.19,119.77 arc(317.15,119.54) 317.02,119.34 316.64,118.97 arc(316.04,118.56) 315.32,118.42 302.83,118.42 arc(301.78,118.63) 300.9,119.22 300.79,119.33 arc(300.03,119.84) 299.12,120.02 298.39,120.02 arc(298.22,119.95) 298.14,119.77 arc(298.1,119.54) 297.97,119.34 297.59,118.97 arc(296.99,118.56) 296.27,118.42 283.78,118.42 arc(282.74,118.63) 281.85,119.22 281.75,119.33 arc(280.98,119.84) 280.07,120.02 279.34,120.02 arc(279.17,119.95) 279.09,119.77 arc(279.05,119.54) 278.92,119.34 278.54,118.97 arc(277.94,118.56) 277.22,118.42 264.73,118.42 arc(263.69,118.63) 262.8,119.22 262.7,119.33 arc(261.93,119.84) 261.02,120.02 260.29,120.02 arc(260.12,119.95) 260.04,119.77 arc(260,119.54) 259.87,119.34 259.49,118.97 arc(258.89,118.56) 258.17,118.42 240.92,118.42 arc(239.88,118.63) 238.99,119.22 238.89,119.33 arc(238.12,119.84) 237.21,120.02 236.48,120.02 arc(236.3,119.95) 236.23,119.77 arc(236.18,119.54) 236.05,119.34 235.68,118.97 arc(235.07,118.56) 234.36,118.42 221.87,118.42 arc(220.83,118.63) 219.94,119.22 219.84,119.32 arc(219.07,119.84) 218.16,120.02 217.43,120.02 arc(217.25,119.95) 217.18,119.77 arc(217.13,119.54) 217,119.34 216.63,118.97 arc(216.02,118.56) 215.31,118.42 202.82,118.42 arc(201.78,118.63) 200.89,119.22 200.79,119.32 arc(200.02,119.84) 199.11,120.02 198.38,120.02 arc(198.2,119.95) 198.13,119.77 arc(198.08,119.54) 197.95,119.34 197.58,118.97 arc(196.97,118.56) 196.26,118.42 183.77,118.42 arc(182.73,118.63) 181.84,119.22 181.74,119.32 arc(180.97,119.84) 180.06,120.02 179.33,120.02 arc(179.15,119.95) 179.08,119.77 arc(179.03,119.54) 178.9,119.34 178.53,118.97 arc(177.92,118.56) 177.21,118.42 159.96,118.42 arc(158.92,118.63) 158.03,119.22 157.93,119.32 arc(157.16,119.84) 156.25,120.02 155.52,120.02 arc(155.34,119.95) 155.27,119.77 arc(155.22,119.54) 155.09,119.34 154.72,118.97 arc(154.11,118.56) 153.4,118.42 C10.1 v1(139.1,116.82) v1(121.6,116.82) ; C4.1 77.47,118.43 arc(75.71,119.6) 73.62,120.02 69.55,120.02 ; C4.1 77.09,112.99 arc(76.82,112.6) 76.7,112.15 76.7,110.85 arc(76.7,110.85) v1(76.7,110.85) ; C4.1 C13.1 88.6,115.9 arc(88.79,115.86) 88.94,115.76 v1(89.6,115.1) 89.8,114.9 arc(90.02,114.75) 90.28,114.7 90.73,114.7 ; v1(76.7,77.2) 76.68,77.18 arc(76.65,77.16) 76.63,77.16 69.79,77.16 arc(69.62,77.08) 69.54,76.91 arc(69.5,76.68) 69.37,76.48 69,76.11 arc(68.39,75.7) 67.68,75.56 55.19,75.56 arc(54.15,75.77) 53.27,76.36 53.17,76.46 arc(52.39,76.97) 51.48,77.16 50.74,77.16 arc(50.57,77.08) 50.49,76.91 arc(50.45,76.68) 50.32,76.48 49.95,76.11 arc(49.34,75.7) 48.63,75.56 36.14,75.56 arc(35.1,75.77) 34.22,76.36 34.12,76.46 arc(33.35,76.97) 32.43,77.16 31.69,77.16 arc(31.52,77.08) 31.44,76.91 arc(31.4,76.68) 31.27,76.48 30.9,76.11 arc(30.29,75.7) 29.58,75.56 25.76,75.56 arc(23.68,75.15) 21.91,73.97 16.7,68.76 arc(15.45,67.92) 13.98,67.63 SW39.3 ; v1(138.2,94.6) 140.68,94.6 arc(140.69,94.6) 140.69,94.61 arc(140.7,94.61) 140.71,94.61 153.4,94.61 arc(154.11,94.75) 154.72,95.16 155.09,95.53 arc(155.22,95.73) 155.27,95.96 arc(155.34,96.13) 155.52,96.21 156.25,96.21 arc(157.16,96.03) 157.93,95.51 158.03,95.41 arc(158.92,94.82) 159.96,94.61 172.45,94.61 arc(173.16,94.75) 173.77,95.16 174.14,95.53 arc(174.27,95.73) 174.32,95.96 arc(174.39,96.13) 174.57,96.21 175.3,96.21 arc(176.21,96.03) 176.98,95.51 177.08,95.41 arc(177.97,94.82) 179.01,94.61 191.5,94.61 arc(192.21,94.75) 192.82,95.16 193.19,95.53 arc(193.32,95.73) 193.37,95.96 arc(193.44,96.13) 193.62,96.21 194.35,96.21 arc(195.26,96.03) 196.03,95.51 196.13,95.41 arc(197.02,94.82) 198.06,94.61 210.55,94.61 arc(211.26,94.75) 211.87,95.16 212.24,95.53 arc(212.37,95.73) 212.42,95.96 arc(212.49,96.13) 212.67,96.21 213.4,96.21 arc(214.31,96.03) 215.08,95.51 215.18,95.41 arc(216.06,94.82) 217.11,94.61 229.6,94.61 arc(230.31,94.75) 230.92,95.16 231.29,95.53 arc(231.42,95.73) 231.47,95.96 arc(231.54,96.13) 231.72,96.21 232.45,96.21 arc(233.36,96.03) 234.13,95.51 234.23,95.41 arc(235.11,94.82) 236.16,94.61 248.65,94.61 arc(249.36,94.75) 249.97,95.16 250.34,95.53 arc(250.47,95.73) 250.52,95.96 arc(250.59,96.13) 250.77,96.21 251.5,96.21 arc(252.41,96.03) 253.17,95.51 253.28,95.41 arc(254.16,94.82) 255.2,94.61 267.7,94.61 arc(268.41,94.75) 269.02,95.16 269.39,95.53 arc(269.52,95.73) 269.57,95.96 arc(269.64,96.13) 269.82,96.21 270.55,96.21 arc(271.45,96.03) 272.22,95.51 272.33,95.41 arc(273.21,94.82) 274.25,94.61 286.75,94.61 arc(287.46,94.75) 288.07,95.16 288.44,95.53 arc(288.57,95.73) 288.62,95.96 arc(288.69,96.13) 288.87,96.21 289.6,96.21 arc(290.5,96.03) 291.27,95.51 291.38,95.41 arc(292.26,94.82) 293.3,94.61 305.8,94.61 arc(306.51,94.75) 307.12,95.16 307.49,95.53 arc(307.62,95.73) 307.67,95.96 arc(307.74,96.13) 307.92,96.21 308.65,96.21 arc(309.55,96.03) 310.32,95.51 310.42,95.41 arc(311.31,94.82) 312.35,94.61 324.85,94.61 arc(325.56,94.75) 326.17,95.16 326.54,95.53 arc(326.67,95.73) 326.72,95.96 arc(326.79,96.13) 326.97,96.21 327.7,96.21 arc(328.6,96.03) 329.37,95.51 329.47,95.41 arc(330.36,94.82) 331.4,94.61 343.9,94.61 arc(344.61,94.75) 345.22,95.16 345.59,95.53 arc(345.72,95.73) 345.77,95.96 arc(345.84,96.13) 346.02,96.21 346.75,96.21 arc(347.65,96.03) 348.42,95.51 348.52,95.41 arc(349.41,94.82) 350.45,94.61 362.95,94.61 arc(363.66,94.75) 364.27,95.16 364.64,95.53 arc(364.77,95.73) 364.82,95.96 arc(364.89,96.13) 365.07,96.21 365.8,96.21 arc(366.7,96.03) 367.46,95.52 367.57,95.41 arc(368.45,94.82) 369.5,94.61 382,94.61 arc(382.71,94.75) 383.32,95.16 383.69,95.53 arc(383.82,95.73) 383.87,95.96 arc(383.94,96.13) 384.12,96.21 384.85,96.21 arc(385.75,96.03) 386.51,95.52 386.62,95.41 arc(387.5,94.82) 388.55,94.61 410.57,94.61 arc(411.29,94.75) 411.9,95.16 412.27,95.53 arc(412.4,95.73) 412.44,95.96 arc(412.52,96.13) 412.69,96.21 413.42,96.21 arc(414.32,96.03) 415.09,95.52 415.19,95.41 arc(416.08,94.82) 417.12,94.61 448.67,94.61 arc(449.39,94.75) 450,95.16 450.37,95.53 arc(450.5,95.73) 450.54,95.96 SW38.3 ; 69.55,120.02 arc(69.55,120.02) 69.54,120.01 ; 69.55,120.02 arc(69.55,120.02) 69.55,120.01 ; v1(79.1,34.9) C5.1 ; U5.5 90.28,110.8 arc(90.02,110.85) 89.8,111 89.67,111.13 arc(89.62,111.21) 89.6,111.3 v1(89.6,111.4) ; v1(138.2,75.6) 138.22,75.58 arc(138.24,75.57) 138.26,75.56 C8.1 158.16,75.56 arc(158.88,75.7) 159.48,76.11 159.85,76.48 arc(159.98,76.68) 160.03,76.91 arc(160.1,77.08) 160.28,77.16 161.02,77.16 arc(161.93,76.98) 162.7,76.46 162.8,76.36 arc(163.68,75.77) 164.72,75.56 181.98,75.56 arc(182.69,75.7) 183.3,76.11 183.67,76.48 arc(183.8,76.68) 183.84,76.91 arc(183.92,77.08) 184.09,77.16 184.83,77.16 arc(185.74,76.98) 186.51,76.46 186.61,76.36 arc(187.49,75.77) 188.53,75.56 201.03,75.56 arc(201.74,75.7) 202.35,76.11 202.72,76.48 arc(202.85,76.68) 202.89,76.91 arc(202.97,77.08) 203.14,77.16 203.88,77.16 arc(204.79,76.98) 205.56,76.46 205.66,76.36 arc(206.54,75.77) 207.58,75.56 220.08,75.56 arc(220.79,75.7) 221.4,76.11 221.77,76.48 arc(221.9,76.68) 221.94,76.91 arc(222.02,77.08) 222.19,77.16 222.93,77.16 arc(223.83,76.98) 224.6,76.46 224.71,76.36 arc(225.59,75.77) 226.63,75.56 239.13,75.56 arc(239.84,75.7) 240.45,76.11 240.82,76.48 arc(240.95,76.68) 240.99,76.91 arc(241.07,77.08) 241.24,77.16 241.98,77.16 arc(242.88,76.98) 243.65,76.46 243.75,76.36 arc(244.64,75.77) 245.68,75.56 258.18,75.56 arc(258.89,75.7) 259.5,76.11 259.87,76.48 arc(260,76.68) 260.04,76.91 arc(260.12,77.08) 260.29,77.16 261.02,77.16 arc(261.93,76.98) 262.7,76.46 262.8,76.36 arc(263.69,75.77) 264.73,75.56 277.23,75.56 arc(277.94,75.7) 278.55,76.11 278.92,76.48 arc(279.05,76.68) 279.09,76.91 arc(279.17,77.08) 279.34,77.16 280.07,77.16 arc(280.98,76.98) 281.75,76.46 281.85,76.36 arc(282.74,75.77) 283.78,75.56 296.28,75.56 arc(296.99,75.7) 297.6,76.11 297.97,76.48 arc(298.1,76.68) 298.14,76.91 arc(298.22,77.08) 298.39,77.16 299.12,77.16 arc(300.03,76.98) 300.8,76.46 300.9,76.36 arc(301.78,75.77) 302.83,75.56 315.33,75.56 arc(316.04,75.7) 316.65,76.11 317.02,76.48 arc(317.15,76.68) 317.19,76.91 arc(317.27,77.08) 317.44,77.16 318.17,77.16 arc(319.08,76.98) 319.85,76.46 319.95,76.36 arc(320.83,75.77) 321.87,75.56 334.38,75.56 arc(335.09,75.7) 335.7,76.11 336.07,76.48 arc(336.2,76.68) 336.24,76.91 arc(336.32,77.08) 336.49,77.16 337.22,77.16 arc(338.13,76.98) 338.89,76.46 339,76.36 arc(339.88,75.77) 340.92,75.56 353.43,75.56 arc(354.14,75.7) 354.75,76.11 355.12,76.48 arc(355.25,76.68) 355.29,76.91 arc(355.37,77.08) 355.54,77.16 356.27,77.16 arc(357.18,76.98) 357.94,76.46 358.05,76.36 arc(358.93,75.77) 359.97,75.56 372.48,75.56 arc(373.19,75.7) 373.8,76.11 374.17,76.48 arc(374.3,76.68) 374.34,76.91 arc(374.42,77.08) 374.59,77.16 375.32,77.16 arc(376.22,76.98) 376.99,76.46 377.1,76.36 arc(377.98,75.77) 379.02,75.56 391.53,75.56 arc(392.24,75.7) 392.85,76.11 393.22,76.48 arc(393.35,76.68) 393.39,76.91 arc(393.47,77.08) 393.64,77.16 394.37,77.16 arc(395.27,76.98) 396.04,76.47 396.14,76.36 arc(397.03,75.77) 398.07,75.56 415.34,75.56 arc(416.05,75.7) 416.66,76.11 417.03,76.48 arc(417.16,76.68) 417.21,76.91 arc(417.28,77.08) 417.46,77.16 418.18,77.16 arc(419.08,76.98) 419.85,76.47 419.96,76.36 arc(420.84,75.77) 421.88,75.56 448.68,75.56 arc(449.39,75.7) 450,76.11 450.37,76.48 arc(450.5,76.68) 450.54,76.91 SW57.3 ; v1(76.7,96.2) 76.7,96.2 arc(76.69,96.21) 76.69,96.21 69.79,96.21 arc(69.62,96.13) 69.54,95.96 arc(69.5,95.73) 69.37,95.53 69,95.16 arc(68.39,94.75) 67.67,94.61 55.19,94.61 arc(54.15,94.82) 53.27,95.41 53.17,95.51 arc(52.39,96.03) 51.48,96.21 50.74,96.21 arc(50.57,96.13) 50.49,95.96 arc(50.45,95.73) 50.32,95.53 49.95,95.16 arc(49.34,94.75) 48.62,94.61 36.14,94.61 arc(35.1,94.82) 34.22,95.41 34.12,95.51 arc(33.34,96.02) 32.43,96.21 31.69,96.21 arc(31.52,96.13) 31.44,95.96 arc(31.4,95.73) 31.27,95.53 30.9,95.16 arc(30.29,94.75) 29.57,94.61 17.09,94.61 arc(16.05,94.82) 15.17,95.41 15.07,95.51 arc(14.3,96.02) 13.38,96.21 SW20.3 ; SW75.3 450.54,57.86 arc(450.5,57.63) 450.37,57.43 450,57.06 arc(449.39,56.66) 448.68,56.51 414.74,56.51 arc(413.7,56.72) 412.81,57.31 412.71,57.42 arc(411.94,57.93) 411.04,58.11 410.31,58.11 arc(410.14,58.03) 410.06,57.86 arc(410.02,57.63) 409.89,57.43 409.52,57.06 arc(408.91,56.66) 408.2,56.51 383.78,56.51 arc(382.74,56.72) 381.86,57.31 381.75,57.41 arc(380.99,57.93) 380.08,58.11 379.36,58.11 arc(379.18,58.03) 379.11,57.86 arc(379.06,57.63) 378.93,57.43 378.56,57.06 arc(377.95,56.66) 377.24,56.51 364.73,56.51 arc(363.69,56.72) 362.81,57.31 362.71,57.41 arc(361.94,57.93) 361.03,58.11 360.31,58.11 arc(360.13,58.03) 360.06,57.86 arc(360.01,57.63) 359.88,57.43 359.51,57.06 arc(358.9,56.66) 358.19,56.51 345.68,56.51 arc(344.64,56.72) 343.76,57.31 343.66,57.41 arc(342.89,57.93) 341.99,58.11 341.26,58.11 arc(341.08,58.03) 341.01,57.86 arc(340.96,57.63) 340.83,57.43 340.46,57.06 arc(339.85,56.66) 339.14,56.51 326.64,56.51 arc(325.59,56.72) 324.71,57.31 324.61,57.41 arc(323.84,57.93) 322.94,58.11 322.21,58.11 arc(322.03,58.03) 321.96,57.86 arc(321.91,57.63) 321.78,57.43 321.41,57.06 arc(320.8,56.66) 320.09,56.51 307.59,56.51 arc(306.55,56.72) 305.66,57.31 305.56,57.41 arc(304.79,57.93) 303.89,58.11 303.16,58.11 arc(302.98,58.03) 302.91,57.86 arc(302.86,57.63) 302.73,57.43 302.36,57.06 arc(301.75,56.66) 301.04,56.51 288.54,56.51 arc(287.5,56.72) 286.61,57.31 286.51,57.41 arc(285.74,57.93) 284.84,58.11 284.11,58.11 arc(283.93,58.03) 283.86,57.86 arc(283.81,57.63) 283.68,57.43 283.31,57.06 arc(282.7,56.66) 281.99,56.51 269.49,56.51 arc(268.45,56.72) 267.57,57.31 267.46,57.41 arc(266.69,57.93) 265.79,58.11 265.06,58.11 